# KiCad board Omega-D.kicad_pcb (continued)
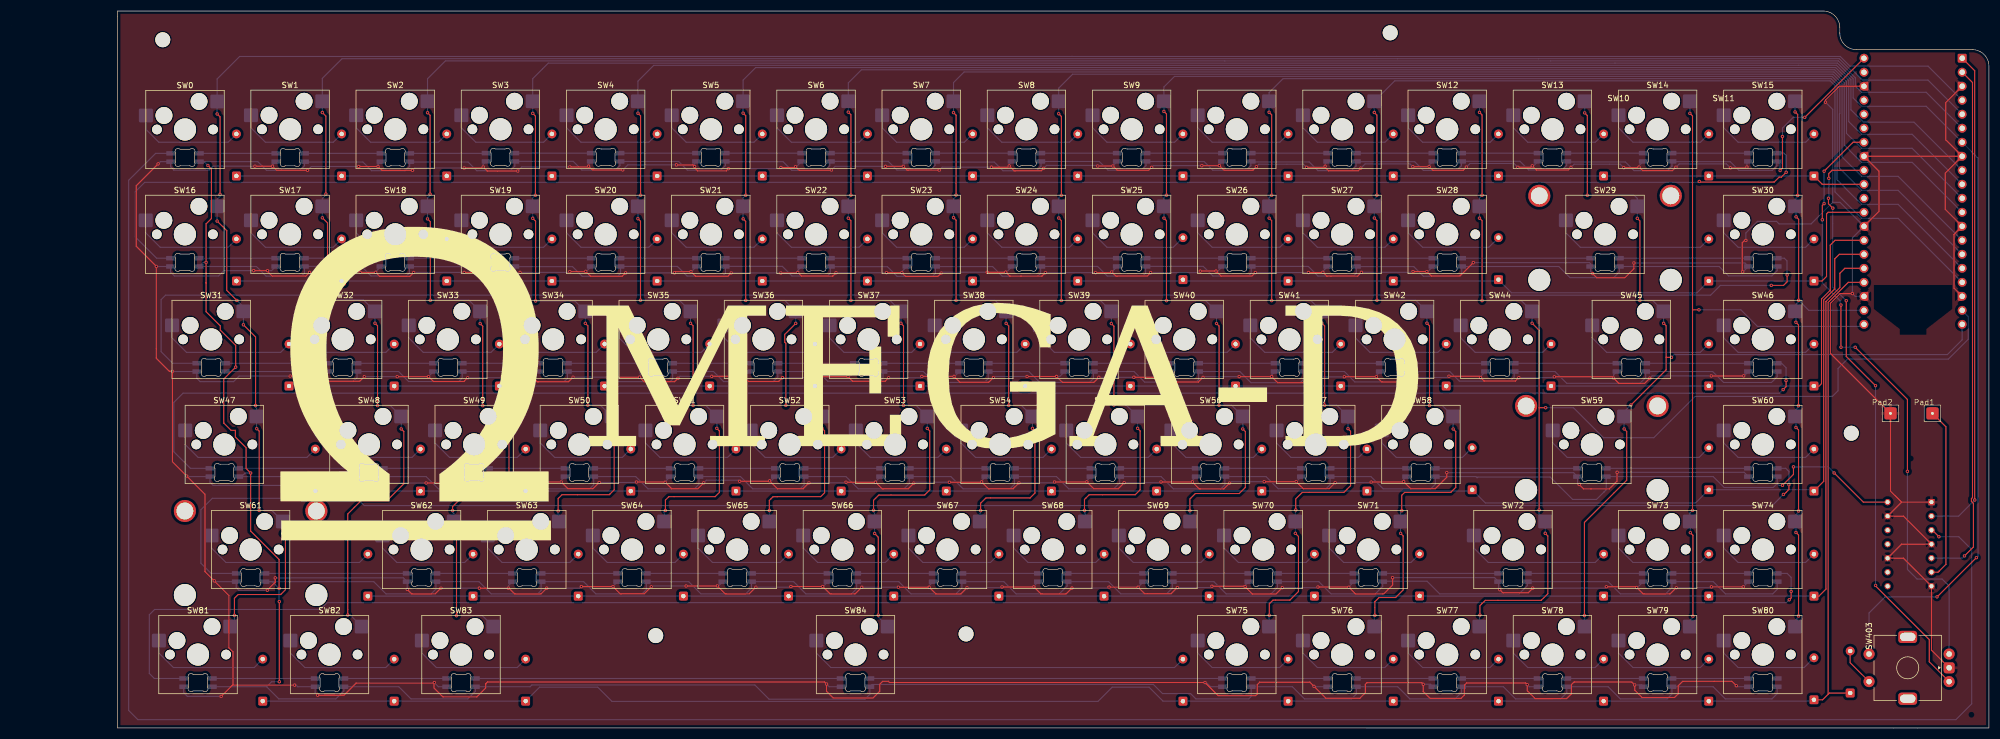
[diagram p0: board, top side]
## Routing (per net, layer and track width the routed paths; a pad name or vN(x,y) marks a point on that pad's centre or on a via; arc(x,y) is an arc through that point) (continued)
1Y: length 478.1
  Top w0.2: U1.3 347.93,35.87 v1(349.12,34.68)
  Bottom w0.2: v1(349.12,34.68) 352.72,34.68 355.06,32.34 355.06,4.38 352.19,1.51 22.97,1.51 21.3,3.18 21.3,99.31 26.18,104.19 LED1.3
2Y: length 31.6
  Top w0.2: U1.6 348.97,28.25 349.18,28.46 349.18,28.47 349.19,28.47 350.39,29.67 350.39,54.61 Pad1.1
Column0: length 436.6
  Top w0.2: v1(49.22,35.26) 49.69,34.78 49.69,25.07 48.82,24.2 41.13,24.2 40.45,23.52 v1(40.45,20.42) ; v1(40.89,77.53) 39.07,79.35 39.07,90.17 v1(37.32,91.92) ; v1(42.08,73.11) 44.28,70.91 v1(44.28,58.48) ; v1(37.85,96.75) 37.85,110.82 v1(37.33,111.34) ; v1(44.49,54.27) 44.94,53.82 v1(44.94,39.44)
  Bottom w0.2: v1(44.94,39.44) 47.23,39.44 SW61.2 49.23,35.27 v1(49.22,35.26) ; v1(40.89,77.53) 42.08,76.33 SW31.2 42.08,73.11 v1(42.08,73.11) ; v1(44.28,58.48) 44.28,58.22 44.46,58.03 SW47.2 44.46,54.29 v1(44.49,54.27) ; v1(37.32,91.92) 37.32,91.92 SW16.2 37.32,95.9 37.85,96.43 v1(37.85,96.75) ; 37.32,113.64 37.32,111.34 v1(37.33,111.34) ; 37.32,113.64 37.32,113.2 ; 37.32,113.64 37.32,117.68 41.4,121.76 192.19,121.76 192.03,121.76 247.23,121.76 247.23,121.76 331.24,121.76 333,120.01 347.15,120.01 A2.4 ; v1(40.45,20.42) 40.45,19.13 SW81.2
Column1: length 422.1
  Top w0.2: v1(56.38,92.5) 57.31,91.57 v1(57.31,77.6) ; v1(60.98,20.47) 60.98,38.81 63.63,41.46 68.31,41.46 71.12,44.27 71.12,53.76 v1(70.66,54.23) ; v1(65.91,73.39) 66.37,72.93 v1(66.37,58.46) ; v1(56.38,111.59) 57.01,110.96 v1(57.01,96.82)
  Bottom w0.2: v1(65.91,73.39) 65.9,73.4 SW32.2 63.84,77.6 v1(57.31,77.6) ; A2.5 347.14,117.47 335.28,117.47 333.58,119.18 333.26,119.18 331.08,121.36 276.64,121.36 276.64,121.35 251.11,121.35 251.1,121.36 59.94,121.36 56.37,117.79 SW1.2 56.37,111.59 v1(56.38,111.59) ; v1(56.38,92.5) 56.37,92.5 SW17.2 56.37,95.98 57.01,96.62 v1(57.01,96.82) ; v1(70.66,54.23) SW48.2 68.69,58.46 v1(66.37,58.46) ; v1(60.98,20.47) 61.44,20.47 SW82.2
Column2: length 409.8
  Top w0.2: v1(80.67,20.36) 80.67,34.75 v1(80.19,35.23) ; v1(89.71,54.28) 90.17,53.81 90.17,44.98 87.11,41.92 86.97,42.06 81.88,42.06 79.96,40.14 v1(79.96,39.42) ; v1(85.42,58.45) 85.42,72.86 v1(84.95,73.33) ; v1(75.42,92.31) 75.93,91.8 v1(75.93,77.55) ; v1(75.89,96.8) 75.89,111.1 v1(75.43,111.56)
  Bottom w0.2: A2.6 346.81,115.26 335.09,115.26 333.99,116.36 333.99,117.88 330.91,120.96 278.8,120.96 278.8,120.95 219.8,120.95 219.79,120.96 78.66,120.96 75.42,117.72 SW2.2 75.42,111.56 v1(75.43,111.56) ; v1(80.67,20.36) 85.36,20.36 SW83.2 ; v1(75.89,96.8) 75.89,96.6 75.42,96.13 SW18.2 75.42,92.31 v1(75.42,92.31) ; v1(84.95,73.33) 84.95,73.33 SW33.2 82.94,77.55 v1(75.93,77.55) ; v1(89.71,54.28) SW49.2 87.75,58.45 v1(85.42,58.45) ; v1(79.96,39.42) 79.96,39.08 80.18,38.85 SW62.2 80.18,35.23 v1(80.19,35.23)
Column3: length 477.3
  Top w0.2: v1(94.48,111.44) 94.96,110.96 v1(94.96,96.6) ; v1(348.77,23.78) 348.8,23.78 v1(355.91,30.89) ; v1(94.99,77.43) 94.99,91.9 v1(94.47,92.42) ; v1(104.46,58.52) 104.46,58.52 104.46,72.91 v1(104,73.37) ; v1(108.76,54.33) 109.22,53.86 109.22,43.18 108.34,42.3 99.78,42.3 99.08,41.6 v1(99.08,39.36)
  Bottom w0.2: v1(94.96,96.6) 94.47,96.11 SW19.2 94.47,92.42 v1(94.47,92.42) ; v1(94.99,77.43) 102.11,77.43 SW34.2 104,73.37 v1(104,73.37) ; v1(99.08,39.36) 99.08,37.59 SW63.2 ; 96.26,119.53 97.28,120.55 290.46,120.55 290.46,120.56 330.75,120.56 333.59,117.72 333.59,114.23 335.09,112.73 346.81,112.73 A2.7 356.21,103.33 356.21,31.19 v1(355.91,30.89) ; 96.26,119.53 94.47,117.74 SW3.2 94.47,111.44 v1(94.48,111.44) ; 96.26,119.53 96.25,119.55 ; v1(348.77,23.78) 339.39,23.78 336.47,20.86 SW403.S1 ; v1(108.76,54.33) SW50.2 106.73,58.52 v1(104.46,58.52)
Column4: length 353
  Top w0.2: v1(113.53,111.47) 114,111 v1(114,96.61) ; v1(123.51,58.48) 123.51,58.48 123.51,72.92 v1(123.05,73.38) ; v1(113.99,77.56) 113.99,91.88 v1(113.52,92.35) ; v1(118.51,39.44) 118.5,39.45 118.5,41.32 119.13,41.95 127.51,41.95 128.27,42.71 128.27,53.86 v1(127.81,54.33)
  Bottom w0.2: SW64.2 118.28,39.21 v1(118.51,39.44) ; v1(127.81,54.33) SW51.2 125.82,58.48 v1(123.51,58.48) ; A2.9 344.61,109.85 335.43,109.85 333.18,112.09 333.18,117.55 330.58,120.16 323.68,120.16 323.67,120.15 116.39,120.15 113.52,117.28 SW4.2 113.52,111.47 v1(113.53,111.47) ; v1(123.05,73.38) 123.05,73.38 SW35.2 121.03,77.56 v1(113.99,77.56) ; v1(114,96.61) 113.52,96.13 SW20.2 113.52,92.35 v1(113.52,92.35)
Column5: length 339
  Top w0.2: v1(146.86,54.34) 147.32,53.87 147.32,42.64 146.63,41.95 138.75,41.95 138.74,41.94 138,41.94 137.32,41.26 v1(137.32,39.43) ; v1(142.1,73.36) 140.11,71.37 140.11,69.95 140.31,69.75 v1(140.31,58.49) ; v1(132.57,111.49) 133.05,111.01 v1(133.05,96.6) ; v1(133.04,77.53) 133.04,91.86 v1(132.58,92.32)
  Bottom w0.2: v1(133.05,96.6) 132.57,96.12 SW21.2 132.57,92.32 v1(132.58,92.32) ; v1(133.04,77.53) 140.11,77.53 SW36.2 142.1,73.36 v1(142.1,73.36) ; v1(132.57,111.49) 132.57,111.49 SW5.2 132.57,117.48 134.84,119.75 330.42,119.75 332.78,117.39 332.78,109.96 335.09,107.65 344.27,107.65 A2.10 ; v1(146.86,54.34) SW52.2 144.86,58.49 v1(140.31,58.49) ; SW65.2 137.32,37.45 v1(137.32,39.43)
Column6: length 338.6
  Top w0.2: v1(161.62,58.5) 161.62,72.91 v1(161.15,73.38) ; v1(157.05,20.46) 157.05,34.6 v1(156.38,35.27) ; v1(165.92,54.31) 166.37,53.85 166.37,43.16 165.45,42.24 157.15,42.24 156.19,41.28 v1(156.19,39.49) ; v1(151.62,92.44) 152.09,91.97 v1(152.09,77.52) ; v1(151.62,111.67) 152.09,111.2 v1(152.09,96.61)
  Bottom w0.2: v1(156.19,39.49) 156.19,39.18 156.38,38.98 SW66.2 156.38,35.27 v1(156.38,35.27) ; v1(152.09,96.61) 152.09,96.44 151.62,95.97 SW22.2 151.62,92.44 v1(151.62,92.44) ; v1(161.62,58.5) 163.9,58.5 SW53.2 165.92,56.48 v1(165.92,54.31) ; v1(151.62,111.67) 151.62,111.67 SW6.2 151.62,116.97 154,119.35 330.25,119.35 332.38,117.23 332.38,107.82 335.09,105.11 344.27,105.11 A2.11 ; SW84.2 157.05,20.11 v1(157.05,20.46) ; v1(152.09,77.52) 159.17,77.52 SW37.2 161.15,73.38 v1(161.15,73.38)
Column7: length 301
  Top w0.2: v1(180.2,73.36) 180.67,72.89 v1(180.67,58.49) ; v1(171.14,96.63) 171.14,111.12 v1(170.67,111.59) ; v1(170.68,92.54) 171.14,92.08 v1(171.14,77.54) ; v1(184.97,54.33) 185.42,53.87 185.42,42.6 184.53,41.71 176.54,41.71 175.58,40.75 v1(175.58,39.42)
  Bottom w0.2: v1(175.58,39.42) 175.58,39.07 175.43,38.92 SW67.2 ; v1(171.14,77.54) 178.2,77.54 SW38.2 180.2,73.36 v1(180.2,73.36) ; v1(171.14,96.63) 171.14,96.4 170.67,95.93 SW23.2 170.67,92.54 v1(170.68,92.54) ; v1(180.67,58.49) 182.96,58.49 SW54.2 184.96,54.34 v1(184.97,54.33) ; A2.12 344.27,102.56 335.09,102.56 331.98,105.67 331.98,117.06 330.09,118.95 172.59,118.95 170.67,117.03 SW7.2 170.67,111.59 v1(170.67,111.59)
Column8: length 284.6
  Top w0.2: v1(190.21,96.58) 190.21,110.89 v1(189.72,111.38) ; v1(199.72,58.56) 199.72,72.86 v1(199.25,73.33) ; v1(204.01,54.33) 204.47,53.86 204.47,43.19 203.57,42.29 195.24,42.29 194.39,41.44 v1(194.39,39.46) ; v1(189.73,92.47) 190.19,92.01 v1(190.19,77.51)
  Bottom w0.2: v1(199.25,73.33) 199.25,73.33 SW39.2 197.28,77.51 v1(190.19,77.51) ; v1(194.39,39.46) 194.39,39.13 194.48,39.03 SW68.2 ; v1(190.21,96.58) 189.72,96.09 SW24.2 189.72,92.47 v1(189.73,92.47) ; v1(199.72,58.56) 201.94,58.56 SW55.2 v1(204.01,54.33) ; A2.14 341.73,100.03 335.09,100.03 331.58,103.54 331.58,116.89 329.92,118.55 192.25,118.55 189.72,116.02 SW8.2 189.72,111.38 v1(189.72,111.38)
Column9: length 267.4
  Top w0.2: v1(213.48,39.4) 213.48,41.52 214.47,42.51 222.41,42.51 223.52,43.62 223.52,53.74 v1(223.05,54.22) ; v1(208.77,111.8) 209.24,111.33 v1(209.24,96.61) ; v1(218.76,58.52) 218.76,58.52 218.76,72.88 v1(218.3,73.34) ; v1(208.78,92.46) 209.24,92 v1(209.24,77.49)
  Bottom w0.2: v1(218.3,73.34) 218.3,75.54 SW40.2 216.35,77.49 v1(209.24,77.49) ; v1(218.76,58.52) 221.03,58.52 SW56.2 223.06,54.23 v1(223.05,54.22) ; v1(213.48,39.4) 213.48,37.49 SW69.2 ; v1(208.78,92.46) 208.77,92.46 SW25.2 208.77,96.14 v1(209.24,96.61) ; v1(208.77,111.8) 208.77,111.8 SW9.2 208.77,116.23 210.69,118.15 329.76,118.15 331.17,116.73 331.17,111.42 331.1,111.35 331.1,101.48 335.09,97.49 341.73,97.49 A2.15
Column10: length 272.5
  Top w0.2: v1(227.83,92.45) 228.29,91.99 v1(228.29,77.49) ; v1(237.36,73.43) 237.88,72.91 v1(237.88,58.53) ; v1(232.58,35.29) 233.14,34.73 233.14,24.74 231.59,23.19 228.53,23.19 227.86,22.52 v1(227.86,20.44) ; v1(242.11,54.28) 242.57,53.81 242.57,43.93 241.36,42.72 233.83,42.72 232.65,41.54 v1(232.65,39.54) ; v1(227.82,111.65) 228.29,111.18 v1(228.29,96.61)
  Bottom w0.2: v1(227.83,92.45) 227.82,92.45 SW26.2 227.82,96.14 v1(228.29,96.61) ; A2.16 341.73,94.95 335.09,94.95 330.7,99.34 330.7,116.64 329.59,117.74 230.35,117.74 227.82,115.21 SW10.2 227.82,111.65 v1(227.82,111.65) ; v1(232.58,35.29) 232.58,37.43 SW70.2 232.58,39.15 232.65,39.22 v1(232.65,39.54) ; v1(227.86,20.44) 227.82,20.4 SW75.2 ; v1(228.29,77.49) 235.4,77.49 SW41.2 237.35,73.44 v1(237.36,73.43) ; v1(237.88,58.53) 240.07,58.53 SW57.2 v1(242.11,54.28)
Column11: length 254.8
  Top w0.2: v1(261.16,54.22) 261.62,53.75 261.62,43.63 260.7,42.71 252.36,42.71 251.85,42.2 251.85,39.41 v1(251.86,39.4) ; v1(246.88,92.47) 247.35,92 v1(247.35,77.55) ; v1(251.64,35.29) 252.1,34.83 252.1,25.03 250.73,23.66 247.74,23.66 246.97,22.89 246.97,20.44 v1(246.98,20.43) ; v1(247.34,96.6) 247.34,111.14 v1(246.87,111.61) ; v1(256.4,73.4) 256.87,72.93 v1(256.87,58.47)
  Bottom w0.2: v1(256.87,58.47) 259.18,58.47 SW58.2 v1(261.16,54.22) ; A2.17 341.73,92.41 335.09,92.41 330.3,97.2 330.3,116.47 329.42,117.34 250.58,117.34 SW11.2 246.87,111.61 v1(246.87,111.61) ; v1(246.98,20.43) 246.87,20.32 SW76.2 ; v1(247.34,96.6) 247.34,96.36 246.87,95.89 SW27.2 246.87,92.47 v1(246.88,92.47) ; v1(247.35,77.55) 254.39,77.55 SW42.2 256.4,73.4 v1(256.4,73.4) ; v1(251.86,39.4) 251.63,39.17 SW71.2 251.63,35.29 v1(251.64,35.29)
Column12: length 211.4
  Top w0.2: v1(266,20.47) 266,22.18 266.96,23.14 277.09,23.14 278.29,24.34 278.29,34.82 v1(277.83,35.29) ; 276.73,58.04 v1(276.73,39.52) ; 276.73,58.04 276.76,58.07 v1(277.9,58.07) ; 276.73,58.04 276.73,72.11 v1(275.45,73.39) ; v1(266.39,77.49) 266.39,91.98 v1(265.92,92.45) ; v1(265.92,111.63) 266.39,111.16 v1(266.39,96.59)
  Bottom w0.2: v1(275.45,73.39) 275.45,73.39 SW44.2 273.5,77.49 v1(266.39,77.49) ; v1(265.92,111.63) 265.92,111.63 SW12.2 ; v1(265.92,92.45) 265.92,92.45 SW28.2 265.92,96.12 v1(266.39,96.59) ; v1(277.9,58.07) 282.94,58.07 288.37,52.63 297.49,52.63 304.97,60.12 329.82,60.12 330.85,61.15 330.85,65.17 332.56,66.88 350.82,66.88 354.43,70.49 354.43,74.63 A2.19 ; v1(277.83,35.29) SW72.2 276.73,38.54 v1(276.73,39.52) ; SW77.2 265.92,20.1 266,20.18 v1(266,20.47)
Column13: length 171.9
  Top w0.2: v1(285.45,96.59) 285.45,111.05 v1(284.97,111.53) ; v1(294.97,77.51) 294.97,91.94 v1(294.5,92.41) ; v1(293.34,58.56) 299.72,64.94 299.72,67.21 ; v1(284.93,20.4) 284.93,37.27 292.58,44.92 292.58,53.77 v1(292.12,54.23) ; 299.72,67.21 299.72,72.92 v1(299.27,73.38) ; 299.72,67.21 v1(300.69,67.21)
  Bottom w0.2: SW13.2 284.97,111.53 v1(284.97,111.53) ; v1(285.45,96.59) 293.94,96.59 294.5,96.03 SW29.2 294.5,92.41 v1(294.5,92.41) ; A2.20 353.33,70.39 350.65,67.71 301.19,67.71 v1(300.69,67.21) ; v1(292.12,54.23) 292.11,54.23 SW59.2 292.11,57.33 v1(293.34,58.56) ; v1(294.97,77.51) 297.29,77.51 SW45.2 299.26,73.39 v1(299.27,73.38) ; v1(284.93,20.4) 284.93,20.12 284.97,20.07 SW78.2
Column14: length 128.3
  Top w0.2: 304.5,75.84 304.51,75.83 v1(305.67,75.83) ; 304.5,75.84 304.5,110.97 v1(304.02,111.45) ; 304.5,75.84 v1(304.5,39.45) ; v1(304.1,35.42) 304.57,34.95 v1(304.57,20.28)
  Bottom w0.2: 304.11,18.3 304.11,19.59 304.57,20.06 ; SW73.2 304.02,38.97 v1(304.5,39.45) ; v1(305.67,75.83) 313.24,75.83 316.26,72.81 335.17,72.81 A2.21 ; 304.11,37.35 304.11,35.42 ; v1(304.02,111.45) 304.02,111.45 SW14.2
Column15: length 108.9
  Top w0.2: v1(323.72,77.55) 323.72,92.22 v1(323.25,92.69) ; v1(323.54,96.57) 323.54,111.24 v1(323.07,111.71) ; v1(323.7,20.31) 323.7,34.98 v1(323.23,35.45) ; v1(323.7,39.35) 323.7,54.02 v1(323.23,54.49) ; v1(323.69,58.43) 323.69,73.1 v1(323.22,73.57)
  Bottom w0.2: v1(323.72,77.55) 325.54,75.73 A2.22 ; 323.23,18.33 323.23,19.62 323.7,20.09 ; 323.69,58.21 323.22,57.74 323.22,56.45 ; 323.23,37.37 323.23,38.66 323.7,39.13 ; v1(323.54,96.57) 323.54,96.35 323.07,95.88 SW30.2 ; 323.23,37.38 323.23,35.45 ; SW15.2 323.07,111.71 v1(323.07,111.71) ; 323.22,75.5 323.22,73.57 ; 323.25,94.62 323.25,92.69 ; 323.23,56.42 323.23,54.49 ; 323.25,75.57 323.25,76.86 323.72,77.33
Encoder_A: length 107.9
  Top w0.2: v1(329.91,94.26) 329.12,95.05 v1(329.12,96.05) ; v1(337.65,25.85) 337.79,25.71 337.79,25.61 347.37,16.03 347.37,12.01 SW403.A ; v1(332.34,77.48) 332.34,67.37 v1(337.64,62.07) ; A2.32 329.77,101.13 329.17,100.53 329.17,99.68 v1(329.18,99.67)
  Bottom w0.2: v1(329.12,96.05) 329.18,96.11 v1(329.18,99.67) ; v1(329.91,94.26) 329.88,94.23 329.88,79.94 v1(332.34,77.48) ; v1(337.64,62.07) 337.64,26.09 337.65,26.08 v1(337.65,25.85)
Encoder_B: length 110.7
  Top w0.2: A2.34 333.57,106.21 328.33,100.97 v1(328.33,100.95) ; v1(343.42,46.53) 343.42,59.57 v1(333.96,69.03) ; v1(328.01,92.15) 328.01,94.76 v1(328.33,95.08) ; v1(331.38,76.69) 331.38,69.05 v1(331.39,69.04)
  Bottom w0.2: v1(331.39,69.04) 333.95,69.04 v1(333.96,69.03) ; v1(328.33,100.95) v1(328.33,95.08) ; SW403.B 350.97,25.73 349.69,27.01 345.16,27.01 343.42,28.75 v1(343.42,46.53) ; v1(328.01,92.15) 328.01,80.68 331.25,77.44 331.25,76.82 v1(331.38,76.69)
GPIO0: length 90.1
  Top w0.2: A2.1 355.6,119.18 355.6,41.35 v1(355.61,41.34)
  Bottom w0.2: v1(355.61,41.34) 352.68,38.41 U1.2
GPIO01: length 95.5
  Top w0.2: v1(353.75,31.2) 355.37,32.82 355.37,40.74 355.36,40.74 355.01,41.09 355.01,41.59 355.2,41.78 355.2,117.04 A2.2
  Bottom w0.2: U1.5 353.34,30.79 v1(353.75,31.2)
Row0: length 295.4
  Top w0.2: D43.1 327.99,98.59 A2.31
  Bottom w0.2: D43.1 D4.1 D3.1 D2.1 D1.1
Row1: length 308.5
  Top w0.2: D30.1 327.95,81.05 328.77,81.87 328.77,93.21 329.07,93.51 A2.29
  Bottom w0.2: D16.1 269.11,81.05 D28.1 271.73,78.91 305.3,78.91 D29.1 D30.1
Row2: length 309.9
  Top w0.2: A2.27 330.31,88.43 329.44,87.56 329.44,79.37 327.86,77.79 327.86,62.44 327.42,62 D46.1
  Bottom w0.2: D31.1 D46.1
Row3: length 322.9
  Top w0.2: A2.26 331.08,85.89 330.26,85.07 330.26,79.61 328.26,77.61 328.26,44.73 D60.1
  Bottom w0.2: D47.1 264.35,42.96 D58.1 266.99,40.8 305.04,40.8 D59.1 326.25,43.2 D60.1
Row4: length 327.6
  Top w0.2: D75.1 327.39,23.91 328.66,25.18 328.66,77.33 331.18,79.85 331.18,82.45 332.08,83.35 A2.25
  Bottom w0.2: D61.1 D75.1
Row5: length 371.4
  Top w0.2: D81.1 328.05,5.11 329.06,6.12 ; 329.06,6.12 329.06,77.16 332.71,80.81 A2.24 ; 329.06,6.12 329.28,6.34 D70.1
  Bottom w0.2: D82.1 D84.1 95.72,7.4 106.24,7.4 108.82,4.82 196.83,4.82 199.41,7.4 206.08,7.4 208.61,4.87 D85.1 326.25,4.87 D81.1
Net-(D1-A): length 20.6
  Bottom w0.2: D1.2 39.31,106.21 32.52,106.21 32.48,106.17 30.53,106.17 30.49,106.21 26.76,106.21 24.39,108.57 24.39,111.1
Net-(D2-A): length 20.4
  Bottom w0.2: SW1.1 43.44,108.83 46.07,106.21 58.36,106.21 D2.2
Net-(D3-A): length 20.4
  Bottom w0.2: SW2.1 62.49,108.83 65.12,106.21 77.4,106.21 D3.2
Net-(D4-A): length 20.4
  Bottom w0.2: SW3.1 81.54,108.83 84.17,106.21 96.44,106.21 D4.2
Net-(D5-A): length 20.4
  Bottom w0.2: SW4.1 100.59,108.83 103.22,106.21 115.49,106.21 D5.2
Net-(D6-A): length 20.4
  Bottom w0.2: SW5.1 119.64,108.83 122.27,106.21 134.53,106.21 D6.2
Net-(D7-A): length 20.4
  Bottom w0.2: SW6.1 138.69,108.83 141.32,106.21 153.58,106.21 D7.2
Net-(D8-A): length 20.4
  Bottom w0.2: SW7.1 157.74,108.83 160.37,106.21 172.62,106.21 D8.2
Net-(D9-A): length 20.4
  Bottom w0.2: D9.2 191.67,106.21 179.42,106.21 176.79,108.83 SW8.1
Net-(D10-A): length 20.4
  Bottom w0.2: SW9.1 195.84,108.83 198.47,106.21 210.71,106.21 D10.2
Net-(D11-A): length 20.3
  Bottom w0.2: D11.2 229.76,106.21 217.52,106.21 214.89,108.83 SW10.1
Net-(D12-A): length 20.3
  Bottom w0.2: D12.2 248.8,106.21 236.57,106.21 233.94,108.83 SW11.1
Net-(D13-A): length 20.3
  Bottom w0.2: D13.2 267.85,106.21 255.62,106.21 252.99,108.83 SW12.1
Net-(D14-A): length 20.3
  Bottom w0.2: D14.2 286.89,106.21 274.67,106.21 272.04,108.83 SW13.1
Net-(D15-A): length 20.3
  Bottom w0.2: D15.2 305.94,106.21 293.72,106.21 291.09,108.83 SW14.1
Net-(D16-A): length 20.4
  Bottom w0.2: SW16.1 24.39,89.78 27.02,87.16 39.31,87.16 D16.2
Net-(D17-A): length 20.4
  Bottom w0.2: D17.2 58.35,87.16 46.07,87.16 43.44,89.78 SW17.1
Net-(D18-A): length 20.4
  Bottom w0.2: SW18.1 62.49,89.78 65.12,87.16 77.39,87.16 D18.2
Net-(D19-A): length 20.4
  Bottom w0.2: D19.2 96.44,87.16 84.17,87.16 81.54,89.78 SW19.1
Net-(D20-A): length 20.4
  Bottom w0.2: SW20.1 100.59,89.78 103.22,87.16 115.48,87.16 D20.2
Net-(D21-A): length 20.4
  Bottom w0.2: SW21.1 119.64,89.78 122.27,87.16 134.53,87.16 D21.2
Net-(D22-A): length 20.4
  Bottom w0.2: SW22.1 138.69,89.78 141.32,87.16 153.57,87.16 D22.2
Net-(D23-A): length 20.4
  Bottom w0.2: SW23.1 157.74,89.78 160.37,87.16 172.62,87.16 D23.2
Net-(D24-A): length 20.4
  Bottom w0.2: SW24.1 176.79,89.78 179.42,87.16 191.66,87.16 D24.2
Net-(D25-A): length 20.5
  Bottom w0.2: D25.2 210.47,87.16 198.47,87.16 195.84,89.78 SW25.1
Net-(D26-A): length 20.3
  Bottom w0.2: D26.2 229.75,87.16 217.52,87.16 214.89,89.78 SW26.1
Net-(D27-A): length 20.3
  Bottom w0.2: D27.2 248.8,87.16 236.57,87.16 233.94,89.78 SW27.1
Net-(D28-A): length 20.4
  Bottom w0.2: D28.2 267.6,87.16 255.62,87.16 252.99,89.78 SW28.1
Net-(D29-A): length 29.9
  Bottom w0.2: SW29.1 281.57,89.78 284.19,87.16 305.93,87.16 D29.2
Net-(D30-A): length 20.3
  Bottom w0.2: D30.2 324.98,87.16 312.77,87.16 310.14,89.78 SW30.1
Net-(D31-A): length 25.2
  Bottom w0.2: SW31.1 29.16,70.73 31.78,68.11 48.82,68.11 D31.2
Net-(D32-A): length 20.4
  Bottom w0.2: SW32.1 52.97,70.73 55.59,68.11 67.87,68.11 D32.2
Net-(D33-A): length 20.4
  Bottom w0.2: D33.2 86.91,68.11 74.64,68.11 72.02,70.73 SW33.1
Net-(D34-A): length 20.4
  Bottom w0.2: SW34.1 91.07,70.73 93.69,68.11 105.96,68.11 D34.2
Net-(D35-A): length 20.4
  Bottom w0.2: SW35.1 110.12,70.73 112.74,68.11 125,68.11 D35.2
Net-(D36-A): length 20.4
  Bottom w0.2: SW36.1 129.17,70.73 131.79,68.11 144.05,68.11 D36.2
Net-(D37-A): length 20.4
  Bottom w0.2: SW37.1 148.22,70.73 150.84,68.11 163.09,68.11 D37.2
Net-(D38-A): length 20.4
  Bottom w0.2: D38.2 182.14,68.11 169.89,68.11 167.27,70.73 SW38.1
Net-(D39-A): length 20.4
  Bottom w0.2: D39.2 201.18,68.11 188.94,68.11 186.32,70.73 SW39.1
Net-(D40-A): length 20.4
  Bottom w0.2: SW40.1 205.37,70.73 207.99,68.11 220.23,68.11 D40.2
Net-(D41-A): length 20.3
  Bottom w0.2: D41.2 239.27,68.11 227.04,68.11 224.42,70.73 SW41.1
Net-(D42-A): length 20.4
  Bottom w0.2: D42.2 258.38,68.11 246.09,68.11 243.47,70.73 SW42.1
Net-(D43-A): length 20.3
  Bottom w0.2: SW15.1 310.14,108.83 312.77,106.21 324.98,106.21 D43.2
Net-(D44-A): length 20.3
  Bottom w0.2: D44.2 277.36,68.11 265.14,68.11 262.52,70.73 SW44.1
Net-(D45-A): length 25.1
  Bottom w0.2: D45.2 305.91,68.11 288.95,68.11 286.33,70.73 SW45.1
Net-(D46-A): length 20.3
  Bottom w0.2: D46.2 324.97,68.11 312.77,68.11 310.14,70.73 SW46.1
Net-(D47-A): length 27.7
  Bottom w0.2: D47.2 53.58,49.06 33.88,49.06 31.54,51.4 SW47.1
Net-(D48-A): length 20.4
  Bottom w0.2: D48.2 72.62,49.06 60.35,49.06 57.73,51.68 SW48.1
Net-(D49-A): length 20.4
  Bottom w0.2: SW49.1 76.78,51.68 79.4,49.06 91.67,49.06 D49.2
Net-(D50-A): length 20.4
  Bottom w0.2: SW50.1 95.83,51.68 98.45,49.06 110.71,49.06 D50.2
Net-(D51-A): length 20.4
  Bottom w0.2: SW51.1 114.88,51.68 117.5,49.06 129.76,49.06 D51.2
Net-(D52-A): length 20.4
  Bottom w0.2: D52.2 148.8,49.06 136.55,49.06 133.93,51.68 SW52.1
Net-(D53-A): length 20.4
  Bottom w0.2: SW53.1 152.98,51.68 155.6,49.06 167.85,49.06 D53.2
Net-(D54-A): length 20.4
  Bottom w0.2: SW54.1 172.03,51.68 174.65,49.06 186.89,49.06 D54.2
Net-(D55-A): length 20.4
  Bottom w0.2: D55.2 205.94,49.06 193.7,49.06 191.08,51.68 SW55.1
Net-(D56-A): length 20.4
  Bottom w0.2: SW56.1 210.13,51.68 212.75,49.06 224.98,49.06 D56.2
Net-(D57-A): length 20.4
  Bottom w0.2: SW57.1 229.18,51.65 231.78,49.06 244.03,49.06 D57.2
Net-(D58-A): length 20.4
  Bottom w0.2: D58.2 262.83,49.06 250.85,49.06 248.23,51.68 SW58.1
Net-(D59-A): length 32.3
  Bottom w0.2: D59.2 305.68,49.06 281.81,49.06 279.19,51.68 SW59.1
Net-(D60-A): length 20.3
  Bottom w0.2: SW60.1 310.14,51.68 312.77,49.06 324.97,49.06 D60.2
Net-(D61-A): length 32.3
  Bottom w0.2: SW61.1 36.3,32.63 38.92,30.01 63.1,30.01 D61.2
Net-(D62-A): length 20.4
  Bottom w0.2: SW62.1 67.26,32.63 69.88,30.01 82.14,30.01 D62.2
Net-(D63-A): length 20.4
  Bottom w0.2: SW63.1 86.31,32.63 88.93,30.01 101.19,30.01 D63.2
Net-(D64-A): length 20.4
  Bottom w0.2: D64.2 120.23,30.01 107.98,30.01 105.36,32.63 SW64.1
Net-(D65-A): length 20.4
  Bottom w0.2: SW65.1 124.41,32.63 127.03,30.01 139.27,30.01 D65.2
Net-(D66-A): length 20.4
  Bottom w0.2: D66.2 158.32,30.01 146.08,30.01 143.46,32.63 SW66.1
Net-(D67-A): length 20.4
  Bottom w0.2: D67.2 177.36,30.01 165.13,30.01 162.51,32.63 SW67.1
Net-(D68-A): length 20.4
  Bottom w0.2: D68.2 196.41,30.01 184.18,30.01 181.56,32.63 SW68.1
Net-(D69-A): length 20.4
  Bottom w0.2: SW69.1 200.61,32.63 203.23,30.01 215.45,30.01 D69.2
Net-(D70-A): length 7
  Top w0.2: SW403.S2 333.05,11.83 D70.2
Net-(D71-A): length 20.4
  Bottom w0.2: SW70.1 219.66,32.63 222.28,30.01 234.5,30.01 D71.2
Net-(D72-A): length 20.4
  Bottom w0.2: D72.2 255.06,31.56 253.51,30.01 241.33,30.01 238.71,32.63 SW71.1
Net-(D73-A): length 27.5
  Bottom w0.2: D73.2 286.87,30.01 267.52,30.01 264.9,32.63 SW72.1
Net-(D74-A): length 20.3
  Bottom w0.2: D74.2 305.92,30.01 293.72,30.01 291.09,32.63 SW73.1
Net-(D75-A): length 20.3
  Bottom w0.2: D75.2 324.96,30.01 312.77,30.01 310.14,32.63 SW74.1
Net-(D76-A): length 20.4
  Bottom w0.2: SW75.1 214.89,13.58 217.52,10.96 229.73,10.96 D76.2
Net-(D77-A): length 20.4
  Bottom w0.2: D77.2 248.78,10.96 236.57,10.96 233.94,13.58 SW76.1
Net-(D78-A): length 20.3
  Bottom w0.2: SW77.1 252.99,13.58 255.62,10.96 267.82,10.96 D78.2
Net-(D79-A): length 20.3
  Bottom w0.2: D79.2 286.87,10.96 274.67,10.96 272.04,13.58 SW78.1
Net-(D80-A): length 20.3
  Bottom w0.2: SW79.1 291.09,13.58 293.72,10.96 305.91,10.96 D80.2
Net-(D81-A): length 20.4
  Bottom w0.2: SW80.1 310.14,13.58 312.77,10.96 324.72,10.96 D81.2
Net-(D82-A): length 22.8
  Bottom w0.2: D82.2 44.05,10.96 29.4,10.96 26.78,13.58 SW81.1
Net-(D83-A): length 22.8
  Bottom w0.2: SW82.1 50.59,13.58 53.21,10.96 67.85,10.96 D83.2
Net-(D84-A): length 22.8
  Bottom w0.2: D84.2 91.66,10.96 77.02,10.96 74.4,13.58 SW83.1
Net-(D85-A): length 70.4
  Bottom w0.2: SW84.1 145.84,13.58 148.46,10.96 210.69,10.96 D85.2
Net-(LED1-DOUT): length 13.8
  Bottom w0.2: LED1.2 LED2.3
Net-(LED2-DOUT): length 13.8
  Bottom w0.2: LED2.2 LED3.3
Net-(LED3-DOUT): length 13.9
  Bottom w0.2: LED4.3 85.99,104.19 LED3.2
Net-(LED4-DOUT): length 13.8
  Bottom w0.2: LED4.2 LED5.3
Net-(LED5-DOUT): length 13.8
  Bottom w0.2: LED5.2 LED6.3
Net-(LED6-DOUT): length 13.8
  Bottom w0.2: LED6.2 LED7.3
Net-(LED7-DOUT): length 13.8
  Bottom w0.2: LED7.2 LED8.3
Net-(LED8-DOUT): length 13.9
  Bottom w0.2: LED8.2 LED9.3
Net-(LED10-DIN): length 13.8
  Bottom w0.2: LED9.2 LED10.3
Net-(LED10-DOUT): length 13.8
  Bottom w0.2: LED10.2 LED11.3
Net-(LED11-DOUT): length 13.8
  Bottom w0.2: LED11.2 LED12.3
Net-(LED12-DOUT): length 13.9
  Bottom w0.2: LED12.2 LED13.3
Net-(LED13-DOUT): length 13.9
  Bottom w0.2: LED13.2 LED14.3
Net-(LED14-DOUT): length 13.9
  Bottom w0.2: LED14.2 LED15.3
Net-(LED15-DOUT): length 13.8
  Bottom w0.2: LED15.2 LED16.3
Net-(LED16-DOUT): length 321.6
  Top w0.2: v1(321.46,100.76) 320.59,99.89 320.19,99.89 319.29,98.99 305.82,98.99 v1(305.72,99.1)
  Bottom w0.2: LED16.2 321.07,104.23 321.47,103.83 321.47,100.77 v1(321.46,100.76) ; v1(305.72,99.1) 305.56,98.94 24.21,98.94 22.5,97.23 22.5,89.04 26.36,85.18 LED17.3
Net-(LED17-DOUT): length 13.9
  Bottom w0.2: LED17.2 LED18.3
Net-(LED18-DOUT): length 13.8
  Bottom w0.2: LED18.2 LED19.3
Net-(LED19-DOUT): length 13.8
  Bottom w0.2: LED19.2 LED20.3
Net-(LED20-DOUT): length 13.8
  Bottom w0.2: LED20.2 LED21.3
Net-(LED21-DOUT): length 13.8
  Bottom w0.2: LED21.2 LED22.3
Net-(LED22-DOUT): length 13.8
  Bottom w0.2: LED22.2 LED23.3
Net-(LED23-DOUT): length 13.8
  Bottom w0.2: LED23.2 LED24.3
Net-(LED24-DOUT): length 13.9
  Bottom w0.2: LED24.2 LED25.3
Net-(LED25-DOUT): length 13.8
  Bottom w0.2: LED25.2 LED26.3
Net-(LED26-DOUT): length 13.8
  Bottom w0.2: LED26.2 LED27.3
Net-(LED27-DOUT): length 13.8
  Bottom w0.2: LED27.2 LED28.3
Net-(LED28-DOUT): length 13.9
  Bottom w0.2: LED28.2 LED29.3
Net-(LED29-DOUT): length 23.4
  Bottom w0.2: LED29.2 LED30.3
Net-(LED30-DOUT): length 23.4
  Bottom w0.2: LED30.2 LED31.3
Net-(LED31-DOUT): length 318.3
  Top w0.2: v1(321.64,82.15) 321.64,80.91 320.98,80.25 v1(318.76,80.25)
  Bottom w0.2: v1(318.76,80.25) 309.54,80.25 307.77,78.48 27.99,78.48 27.18,77.67 27.18,68.23 29.28,66.13 LED32.3 ; LED31.2 321.12,85.18 321.61,84.69 321.61,82.18 v1(321.64,82.15)
Net-(LED32-DOUT): length 18.6
  Bottom w0.2: LED32.2 LED33.3
Net-(LED33-DOUT): length 13.9
  Bottom w0.2: LED33.2 LED34.3
Net-(LED34-DOUT): length 13.9
  Bottom w0.2: LED34.2 LED35.3
Net-(LED35-DOUT): length 13.8
  Bottom w0.2: LED35.2 LED36.3
Net-(LED36-DOUT): length 13.9
  Bottom w0.2: LED36.2 LED37.3
Net-(LED37-DOUT): length 13.8
  Bottom w0.2: LED37.2 LED38.3
Net-(LED38-DOUT): length 13.8
  Bottom w0.2: LED38.2 LED39.3
Net-(LED39-DOUT): length 13.8
  Bottom w0.2: LED39.2 LED40.3
Net-(LED40-DOUT): length 13.8
  Bottom w0.2: LED40.2 LED41.3
Net-(LED41-DOUT): length 13.9
  Bottom w0.2: LED41.2 LED42.3
Net-(LED42-DOUT): length 13.9
  Bottom w0.2: LED42.2 LED43.3
Net-(LED43-DOUT): length 13.8
  Bottom w0.2: LED43.2 LED44.3
Net-(LED44-DOUT): length 18.6
  Bottom w0.2: LED44.2 LED45.3
Net-(LED45-DOUT): length 18.6
  Bottom w0.2: LED45.2 LED46.3
Net-(LED46-DOUT): length 315.3
  Top w0.2: v1(320.91,61.36) 321.44,61.89 v1(321.44,62.99)
  Bottom w0.2: LED46.2 320.63,66.13 321.44,65.32 v1(321.44,62.99) ; LED47.3 32.49,47.08 29.48,50.09 29.48,59.04 31.15,60.71 277.63,60.71 277.64,60.69 320.25,60.69 v1(320.91,61.36)
Net-(LED47-DOUT): length 21
  Bottom w0.2: 41.22,47.08 LED48.3
Net-(LED48-DOUT): length 13.8
  Bottom w0.2: LED48.2 LED49.3
Net-(LED49-DOUT): length 13.9
  Bottom w0.2: LED49.2 LED50.3
Net-(LED50-DOUT): length 13.8
  Bottom w0.2: LED50.2 LED51.3
Net-(LED51-DOUT): length 13.8
  Bottom w0.2: LED51.2 LED52.3
Net-(LED52-DOUT): length 13.9
  Bottom w0.2: LED52.2 LED53.3
Net-(LED53-DOUT): length 13.8
  Bottom w0.2: LED53.2 LED54.3
Net-(LED54-DOUT): length 13.8
  Bottom w0.2: LED54.2 LED55.3
Net-(LED55-DOUT): length 13.8
  Bottom w0.2: LED55.2 LED56.3
Net-(LED56-DOUT): length 13.8
  Bottom w0.2: LED56.2 LED57.3
Net-(LED57-DOUT): length 13.9
  Bottom w0.2: LED57.2 LED58.3
Net-(LED58-DOUT): length 25.8
  Bottom w0.2: LED58.2 LED59.3
Net-(LED59-DOUT): length 25.8
  Bottom w0.2: LED59.2 LED60.3
Net-(LED60-DOUT): length 312.7
  Top w0.2: v1(320.96,42.35) 321.07,42.35 321.95,43.23 v1(321.95,44.12)
  Bottom w0.2: v1(320.96,42.35) 318.94,40.33 63.96,40.33 62.64,41.64 36.46,41.64 34.38,39.57 34.38,29.88 36.23,28.03 LED61.3 ; LED60.2 321.39,47.08 321.95,46.52 v1(321.95,44.12)
Net-(LED61-DOUT): length 25.8
  Bottom w0.2: LED61.2 LED62.3
Net-(LED62-DOUT): length 13.8
  Bottom w0.2: LED62.2 LED63.3
Net-(LED63-DOUT): length 13.9
  Bottom w0.2: LED63.2 LED64.3
Net-(LED64-DOUT): length 13.8
  Bottom w0.2: LED64.2 LED65.3
Net-(LED65-DOUT): length 13.8
  Bottom w0.2: LED65.2 LED66.3
Net-(LED66-DOUT): length 13.8
  Bottom w0.2: LED66.2 LED67.3
Net-(LED67-DOUT): length 13.8
  Bottom w0.2: LED67.2 LED68.3
Net-(LED68-DOUT): length 13.9
  Bottom w0.2: LED68.2 LED69.3
Net-(LED69-DOUT): length 13.9
  Bottom w0.2: LED69.2 LED70.3
Net-(LED70-DOUT): length 13.8
  Bottom w0.2: LED70.2 LED71.3
Net-(LED71-DOUT): length 21
  Bottom w0.2: LED71.2 LED72.3
Net-(LED72-DOUT): length 21
  Bottom w0.2: LED72.2 LED73.3
Net-(LED73-DOUT): length 13.8
  Bottom w0.2: LED73.2 LED74.3
Net-(LED74-DOUT): length 322.4
  Top w0.2: v1(322.36,24.77) 322.36,23.59 v1(322.02,23.25)
  Bottom w0.2: LED75.3 25.95,8.98 25.04,9.89 25.04,20.53 26,21.49 55.99,21.49 57.23,22.73 321.5,22.73 v1(322.02,23.25) ; LED74.2 321.64,28.03 322.36,27.31 v1(322.36,24.77)
Net-(LED75-DOUT): length 18.6
  Bottom w0.2: LED75.2 LED76.3
Net-(LED76-DOUT): length 18.6
  Bottom w0.2: LED76.2 LED77.3
Net-(LED77-DOUT): length 66.2
  Bottom w0.2: LED77.2 LED78.3
Net-(LED78-DOUT): length 63.9
  Bottom w0.2: LED78.2 LED79.3
Net-(LED79-DOUT): length 13.8
  Bottom w0.2: LED79.2 LED80.3
Net-(LED80-DOUT): length 13.9
  Bottom w0.2: LED80.2 LED81.3
Net-(LED81-DOUT): length 13.9
  Bottom w0.2: LED81.2 LED82.3
Net-(LED82-DOUT): length 13.9
  Bottom w0.2: LED82.2 LED83.3
Net-(LED83-DOUT): length 13.8
  Bottom w0.2: LED83.2 LED84.3

## Copper pours and planes (outline as drawn; the poured copper is in the pictures)
GND on Top, Bottom: 14.35,136.55 364.85,136.05 365.35,-8.85 13.75,-5.95 13.15,136.55

## Text on the board
F.Silkscreen: MEGA-D
